# Altium PCB ETRX_Shield.PcbDoc (part 2 of 2)
Units mm, origin at the board's own origin, x right, y up, seen from the top; angles counter-clockwise.
Board outline 60 x 60 mm, 4 copper layers (Top Layer, GND, PWR, Bottom Layer), stack 1.506 mm thick; 134 components, 122 nets, 503 pads, 280 vias.
Unrouted connection lines stored in the file: 350.
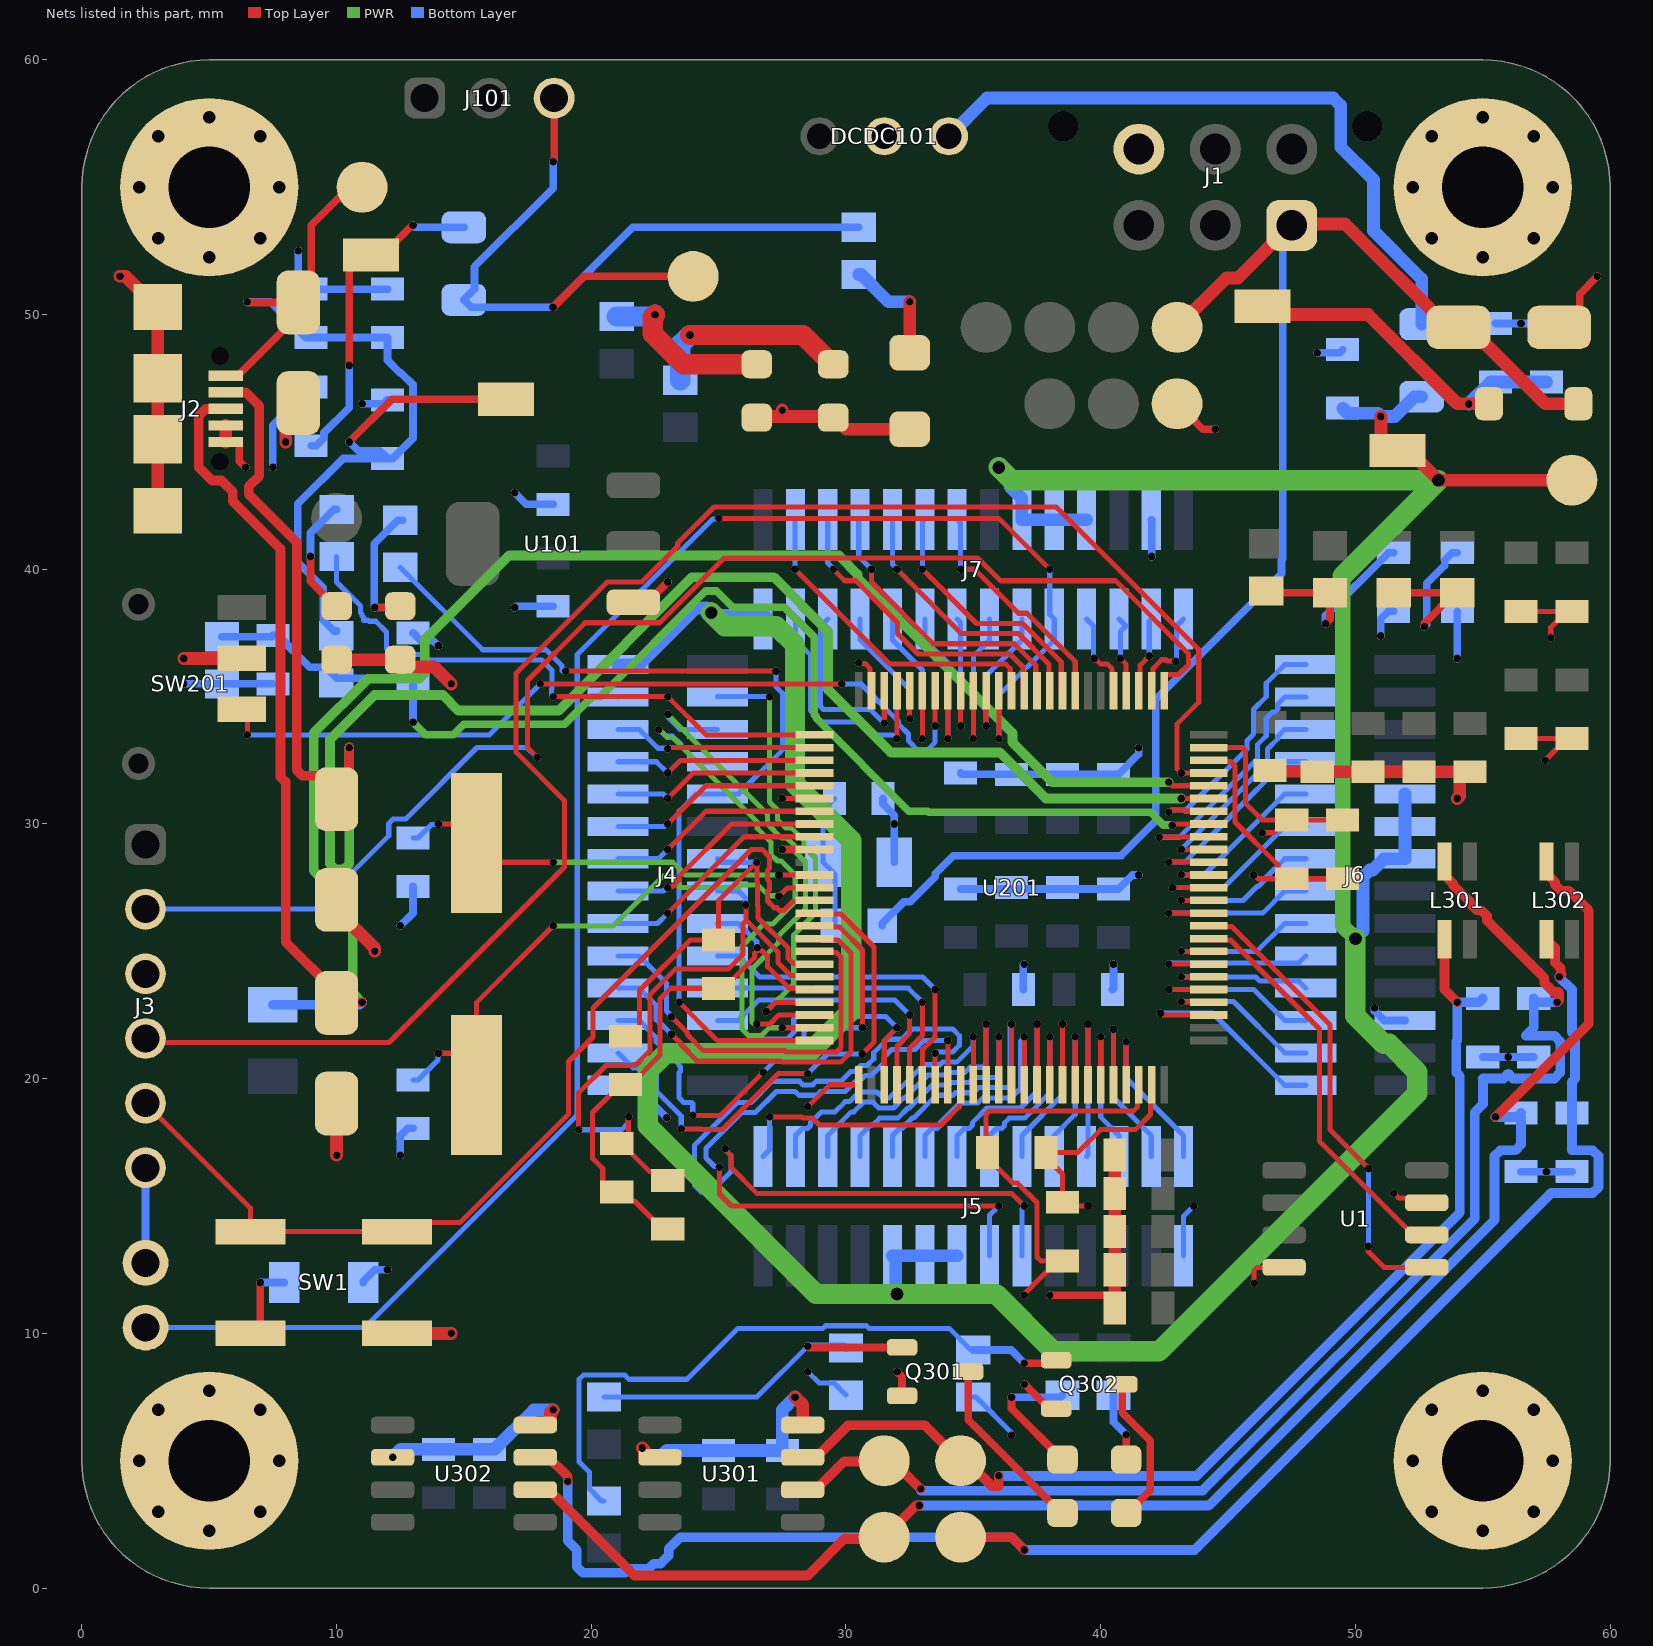
[diagram p4: the nets of this part, all layers, seen from the top]

## Via types
v1: diameter 0.3, hole 0.3, Top Layer to Bottom Layer, 237 vias
v2: diameter 0.7, hole 0.5, Top Layer to Bottom Layer, 32 vias
v3: diameter 0.5, hole 0.5, Top Layer to Bottom Layer, 11 vias

## Nets (pads, with @x,y where several pads share a name; then routed paths per layer and width w, separated by ;. In a path a pad name is that pad's centre, name@x,y a point inside that pad or via, vN(x,y) a via of type N, cw(c..) or ccw(c..) an arc to the next point about the centre after c; other vN are vias at no path point) (continued)
GND: C1.2 C2.1 C101.2 C102.2 C103.2 C104.2 C105.1 C106.2 C107.2 C108.2 C109.2 C201.1 C201.2 C202.1 C202.2 C203.1 C204.1 C205.2 C206.2 C207.2 C208.2 C209.2 C210.2 C211.2 C212.2 C213.2 C214.2 C215.2 C216.2 C217.2 C218.2 C219.2 C220.2 C221.2 C222.2 C223.2 C224.2 C229.1 C229.2 C230.1 C230.2 C231.2 C232.2 C301.2 C302.1 C303.2 C304.2 C305.1 C306.2 C307.1 C308.2 C309.2 C310.1 C311.2 C312.2 C313.2 C314.2 D101.1 D103.K D104.K D105.K D106.2 D201.2 D202.2 D205.K D206.K DCDC101.2 J1.6 J2.4 J2.5 J2.Shell J3.3 J4.28 J5.28 J6.23 J7.25 MH1.1 MH2.1 MH3.1 MH4.1 Q301.E Q302.E R2.2 R202.2 R307.2 R310.2 SW1.B2 SW201.L2 TP105.1 U1.4 U1.7 U101.1 U201.10 U201.26 U201.48 U201.49 U201.73 U201.74 U201.99 U301.2 U301.8 U302.2 U302.8 | length 202.1
  Top Layer w0.2: v1(28.5,18.9) 29.362,19.762 U201.26@30.5,19.762 ; v1(30.5,36.326) 30.519,36.306 30.743,36.306 30.95,36.1 30.95,35.288 U201.99@31,35.238 ; v1(37,11.5) 37.019,11.519 37.019,11.569 C230.1@38.3,12.85 ; C230.1@38.5,12.85 C230.1@38.3,12.85 ; v1(39.5,15) 38.65,15 C230.2@38.5,15.15 38.5,16.255 37.855,16.9 C229.2@37.855,17.1 39.1,17.1 40,18 41.36,18 41.955,18.595 41.955,19.717 U201.49@42,19.762 ; U201.48@41.5,19.762 41.45,19.712 41.45,18.9 41.274,18.724 35.617,18.724 35.5,18.607 35.5,17.155 C229.1@35.555,17.1 35.555,16.9 36.555,15.9 36.736,15.9 37.5,15.136 37.5,13 37.65,12.85 C230.1@38.3,12.85 ; U201.73@44.238,32.5 44.288,32.45 45.1,32.45 45.276,32.274 45.276,30.074 46.95,28.4 46.95,28.2 C201.1@47.3,27.85 ; U201.74@44.238,33 45.566,33 45.683,32.883 45.683,30.817 46.35,30.15 C201.2@47.3,30.15 ; v1(46,28) 46.027,28 46.177,27.85 C201.1@47.3,27.85 ; v1(46.025,11.975) 46.025,12.478 46.142,12.595 U1.4@47.2,12.595 ; v1(46.342,29.658) 46.808,29.658 C201.2@47.3,30.15 ; C202.1@49.5,27.85 C201.1@47.5,27.85 C201.1@47.3,27.85 ; C202.2@49.5,30.15 C201.2@47.5,30.15 C201.2@47.3,30.15 ; v1(51.5,15.5) 51.527,15.5 51.706,15.321 52.614,15.321 U1.7@52.8,15.135 ; C303.2@56.5,33.35 C304.2@58.3,33.35 ; C308.2@56.5,38.35 C309.2@58.3,38.35 ; v1(57.46,32.5) 57.46,32.51 C304.2@58.3,33.35 ; v1(57.664,37.307) 57.667,37.311 57.667,37.717 C309.2@58.3,38.35 ; C304.2@58.5,33.35 C304.2@58.3,33.35 ; C309.2@58.5,38.35 C309.2@58.3,38.35
  Top Layer w0.3: J2.5@5.65,45 6.125,45 6.175,44.95 6.175,44.25 v1(6.425,44) ; U101.1@21.65,38.7 22.2,38.7 v1(23,39.5) ; v1(27.5,29) U201.10@28.762,29 ; v1(32,8.5) 32.2,8.3 Q301.E@32.2,7.55 ; v1(37,8) 37.025,8 37.975,7.05 Q302.E@38.25,7.05 ; v1(38,11.5) 40.25,11.5 40.55,11.2 C211.2@40.55,11 ; TP105.1@43,46.5 44,45.5 v1(44.5,45.5) ; D101.1@58,49.5 58.121,49.5 58.8,50.179 58.8,50.8 v1(59.5,51.5)
  Top Layer w0.5: v1(1.5,51.5) 1.725,51.5 2.925,50.3 J2.Shell@2.975,50.3 J2.Shell@2.975,47.5 J2.Shell@2.975,45.1 ; J2.Shell@2.975,42.3 J2.Shell@2.975,45.1 ; J2.Shell@3.525,45.65 J2.Shell@2.975,45.1 ; v1(4,36.5) SW201.L2@6.275,36.5 ; J2.5@5.65,45 J2.4@5.65,45.65 ; v1(8,45) 8.008,45.008 8.008,46.033 D106.2@8.5,46.525 ; D205.K@9.975,36.475 D205.K@10,36.45 D206.K@12.5,36.45 12.785,36.165 13.835,36.165 v1(14.5,35.5) ; v1(10,17) D201.2@10,19.025 ; D202.2@10,27.025 10,26.625 11.5,25.125 v1(11.5,25) ; SW1.B2@12.375,10 v1(14.5,10) ; U302.8@17.8,6.405 18.325,6.405 18.4,6.48 18.4,6.9 v1(18.5,7) ; v1(22,5.5) 22.1,5.4 22.1,5.21 22.175,5.135 U301.2@22.7,5.135 ; D103.K@26.5,45.95 26.55,46 27.5,46 ; v1(27.5,46.25) 27.5,46 ; v1(28,7.5) 28.3,7.2 U301.8@28.3,6.405 ; D105.K@32.5,45.5 30.014,45.5 29.564,45.95 D104.K@29.5,45.95 29.45,46 27.5,46 ; C211.2@40.55,11.2 C212.2@40.55,12.5 C214.2@40.55,15.5 C215.2@40.55,17 ; C206.2@46.65,32.094 46.672,32.072 48.478,32.072 C207.2@48.5,32.05 C208.2@50.5,32.05 C209.2@52.5,32.05 C210.2@54.3,32.05 ; v1(54,31) 54.1,31.1 54.1,31.85 C210.2@54.3,32.05 ; C210.2@54.5,32.05 C210.2@54.3,32.05
  Bottom Layer w0.2: v1(28.5,8.5) 28.95,8.05 29.525,8.05 R307.2@30,7.575 ; R310.2@35,7.5 35.1,7.5 36.481,6.119 36.481,6.019 v1(36.5,6) ; J5.28@43.255,13.05 43.255,14.605 v1(43.65,15)
  Bottom Layer w0.3: v1(4,35.5) R202.2@5.5,35.5 C232.2@7.5,35.5 ; v1(7.506,44) 7.5,44.006 7.5,45.65 8.5,46.65 8.5,46.85 8.8,47.15 C109.2@9,47.15 ; v1(8.5,52.5) 8.5,51.3 8.8,51 C106.2@9,51 C107.2@12,51 ; v1(11,46.5) 11.85,46.5 C108.2@12,46.65 ; C2.1@11.05,12 11.05,12.05 11.5,12.5 v1(12,12.5) ; v1(12.5,17) 12.5,17.75 12.8,18.05 C204.1@13,18.05 ; v1(12.5,26) 13,26.5 C203.1@13,27.55 ; C231.2@13,37.5 13.3,37.2 13.8,37.2 v1(14,37) ; v1(17,38.5) 17.05,38.55 C105.1@18.5,38.55 ; v1(17,43) 17.45,42.55 C104.2@18.5,42.55 ; J4.28@21.05,19.745 21.875,19.745 22.1,19.52 22.1,19.329 v1(22.964,18.464) ; C1.2@31.45,31 31.45,30.8 31.9,30.35 v1(31.9,30) R2.2@31.9,28.5 ; C221.2@34.5,27.45 C218.2@40.5,27.45 40.7,27.45 41.25,28 v1(41.5,28) ; C205.2@34.5,32 34.55,31.95 C224.2@36.5,31.95 C223.2@38.5,31.95 C222.2@40.5,31.95 40.7,31.95 41.5,32.75 v1(41.5,33) ; C217.2@36.965,23.5 36.965,24.465 v1(37,24.5) ; C216.2@40.465,23.5 40.5,23.535 v1(40.5,24.5) ; J7.25@41.985,41.95 42,41.935 v1(42,40.5) ; v1(48.5,48.5) 49.375,48.5 C103.2@49.5,48.625 ; v1(50.75,22.78) 50.75,22.66 51.125,22.285 J6.23@51.95,22.285 ; v1(50.99,37.383) 51,37.394 51,38.05 51.3,38.35 C305.1@51.5,38.35 ; v1(54,36.5) C310.1@54,38.35 ; C301.2@55,20.85 v1(56,20.85) C302.1@57,20.85 ; C102.2@55.5,49.65 v1(56.5,49.65) C101.2@57.5,49.65 ; C307.1@56.5,16.35 v1(57.5,16.35) C306.2@58.5,16.35
  Bottom Layer w0.5: v1(12.2,5.135) 12.515,5.45 C311.2@14,5.45 16.2,5.45 17.75,7 v1(18.5,7) ; 22.7,5.135 22.965,5.4 C313.2@25,5.4 C314.2@27.5,5.4 27.5,7 v1(28,7.5)
  other v2: 5,2.25 55,2.25 3,3 7,3 53,3 57,3 2.25,5 7.75,5 52.25,5 57.75,5 3,7 7,7 53,7 57,7 5,7.75 55,7.75 5,52.25 55,52.25 3,53 7,53 53,53 57,53 2.25,55 7.75,55 52.25,55 57.75,55 3,57 7,57 53,57 57,57 5,57.75 55,57.75
LED_PA3: J4.9 R208.2 U201.25 | length 38.2
  Top Layer w0.2: v1(19,36) v1(27.25,36) ; v1(23.45,23) 24.95,21.5 U201.25@28.762,21.5
  Bottom Layer w0.2: R208.2@12.5,40.075 15.734,36.841 18.225,36.841 18.85,36.216 18.85,36 v1(19,36) ; v1(23.45,23) 23.45,30.5 24.125,31.175 J4.9@24.95,31.175 25.775,31.175 27.5,32.9 27.5,35.136 27.25,35.386 v1(27.25,36)
LED_PE2: J4.4 R207.2 U201.1 | length 25.4
  Top Layer w0.2: v1(18.5,35) v1(23,35) 24.5,33.5 U201.1@28.762,33.5
  Bottom Layer w0.2: R207.2@10,40.5 10,39.5 10.935,38.565 10.935,38.301 11,38.236 11,38.177 11.053,38.124 11.053,38 11.236,38 11.276,37.959 11.541,37.959 11.959,37.541 11.959,36.888 12.188,36.659 13.34,36.659 13.559,36.441 18.059,36.441 18.45,36.05 18.45,35.314 18.436,35.3 18.436,35.091 18.5,35.027 v1(18.5,35) ; J4.4@21.05,34.985 21.065,35 v1(23,35)
"LV tr": C103.1 F101.1 J4.2 J5.10 J5.12 J5.14 J6.9 J6.11 J6.13 J7.2 J7.17 J7.19 J7.21 L101.2 TP102.1 | length 148.3
  Top Layer w0.5: v1(51,46) 51,45.068 51.4,44.668 L101.2@51.643,44.668 52.093,44.668 v3(53.262,43.5) TP102.1@58.5,43.5
  PWR w0.6: 49.5,39.738 49.5,26 v3(50,25.5)
  PWR w0.8: v3(24.705,38.295) 25.234,37.766 27.266,37.766 28,37.031 28,31.561 30.2,29.361 30.2,22.668 28.531,21 22.929,21 22.214,20.286 22.214,18.154 28.818,11.55 v3(32,11.55) 35.889,11.55 38.139,9.3 42.29,9.3 52.426,19.436 52.426,20.264 51.323,21.367 51.103,21.367 50,22.47 v3(50,25.5) ; v3(36,44) 36.5,43.5 v3(53.262,43.5) 49.5,39.738
  Bottom Layer w0.5: J4.2@21.05,36.255 21.875,36.255 24.12,38.5 24.143,38.477 24.523,38.477 24.599,38.401 v3(24.705,38.295) ; v3(32,11.55) 31.95,11.6 31.95,12.925 J5.10@31.825,13.05 J5.12@33.095,13.05 J5.14@34.365,13.05 ; v3(36,44) 36.46,43.54 36.46,43.22 36.905,42.775 J7.17@36.905,41.95 J7.19@38.175,41.95 J7.21@39.445,41.95 ; C103.1@49.5,46.325 49.7,46.125 50.875,46.125 v1(51,46) 51.541,46 52.316,46.775 F101.1@52.6,46.775 ; v3(50,25.5) 50.3,25.8 50.3,27.926 50.564,28.19 50.68,28.19 51.125,28.635 J6.13@51.95,28.635 J6.11@51.95,29.905 J6.9@51.95,31.175
  Bottom Layer w0.8: v3(24.705,38.295) 24.95,38.05 J7.2@26.745,38.05
"LV+ in": D101.2 D102.A J1.1 R1.1 TP101.1 | length 58.9
  Top Layer w0.5: TP101.1@43,49.5 44.94,51.44 45.385,51.44 47.5,53.556 49.595,53.556 53.65,49.5 D101.2@54.05,49.5 54.45,49.5 57.45,46.5 D102.A@58.75,46.5 D102.A@59,46.75
  Bottom Layer w0.3: R1.1@31.425,26 31.425,26.1 32.278,26.953 32.522,26.953 33.5,27.93 33.5,28.045 34.205,28.75 40.795,28.75 42.167,30.122 42.167,34.892 47.096,39.821 47.096,40.361 47.15,40.414 47.15,53.15 J1.1@47.5,53.5
NetC2_2: C2.2 SW1.B1 | length 3.1
  Top Layer w0.3: SW1.B1@6.625,10 7,10.375 v1(7,12)
  Bottom Layer w0.3: v1(7,12) C2.2@7.95,12
NetC101_1: C101.1 C102.1 D102.K L101.1 | length 13.9
  Top Layer w0.5: L101.1@46.35,50.325 46.675,50 50.5,50 54,46.5 D102.K@55.25,46.5
  Bottom Layer w0.5: v1(54.45,46.488) 54.45,46.5 55.3,47.35 C102.1@55.5,47.35 C101.1@57.5,47.35
NetC109_1: C109.1 F102.1 L102.2 | length 12.9
  Top Layer w0.3: v1(10.5,48) 10.5,51.832 11,52.332 L102.2@11.357,52.332 11.807,52.332 12.975,53.5 v1(13,53.5)
  Bottom Layer w0.3: C109.1@9,44.85 9.2,44.85 9.5,45.15 9.5,45.35 10.5,46.35 v1(10.5,48) ; v1(13,53.5) 13.075,53.425 F102.1@15,53.425
NetC301_1: C301.1 L301.1 TP301.1 U301.7 | length 44.1
  Top Layer w0.381: U301.7@28.3,5.135 28.825,5.135 30.08,6.391 33.109,6.391 TP301.1@34.5,5 34.722,5 35.722,4 36,4 36,4.366 v1(36,4.406) ; L301.1@53.5,25.475 53.5,23.5 v1(54,23)
  Bottom Layer w0.381: v1(36,4.406) 43.763,4.406 54.099,14.742 54.099,20.099 53.959,20.238 53.959,21.462 54,21.502 v1(54,23) 54.85,23 C301.1@55,23.15
NetC302_2: C302.2 L301.2 TP303.1 U301.6 | length 53.6
  Top Layer w0.381: U301.6@28.3,3.865 28.825,3.865 29.928,4.969 31.469,4.969 TP303.1@31.5,5 31.831,5 v1(32.93,3.901) ; L301.2@53.5,28.525 53.5,28 53.834,27.666 53.834,27.613 54.5,26.948 54.5,26.874 54.758,26.615 54.937,26.615 55.166,26.387 55.166,26.208 57.419,23.955 57.419,23.759 57.759,23.419 57.955,23.419 58,23.374 58,23.081 v1(57.919,23)
  Bottom Layer w0.381: v1(32.93,3.901) 32.93,3.825 44.004,3.825 54.68,14.502 54.68,18.68 55.01,19.01 55.01,20.01 55.812,20.01 56,20.198 56.188,20.009 57.812,20.009 58.041,20.238 58.041,21.462 57.812,21.691 56.69,21.691 57,22 C302.2@57,23.15 57.15,23 v1(57.919,23)
NetC305_2: C305.2 R301.1 R302.1 | length 7.8
  Top Layer w0.3: R302.1@46.5,39.15 46.575,39.075 R301.1@49,39.075 49,38.038 v1(48.824,37.863)
  Bottom Layer w0.3: v1(48.824,37.863) 48.824,38.174 51.3,40.65 C305.2@51.5,40.65
NetC306_1: C306.1 L302.1 TP305.1 U302.7 | length 66.3
  Top Layer w0.381: U302.7@17.8,5.135 18.325,5.135 19.077,4.383 v1(19.077,4.198) ; TP305.1@34.5,2 36,2 36.5,2 v1(37,1.5) ; L302.1@57.5,25.475 57.834,25.141 57.834,24.563 58.063,24.334 58.063,24.132 58.098,24.098 v1(58,24)
  Bottom Layer w0.381: v1(19.077,4.198) 19.077,1.858 19.435,1.5 19.435,0.838 19.663,0.61 21.337,0.61 21.477,0.75 22.25,0.75 22.46,0.96 22.724,0.96 23.041,1.276 23.041,1.54 23.5,2 36.5,2 v1(37,1.5) 43.679,1.5 57.688,15.509 59.312,15.509 59.541,15.738 59.541,16.962 59.312,17.191 58.5,17.191 C306.1@58.5,18.65 58.5,19.876 58.622,19.998 58.622,21.702 58.5,21.824 58.5,23.5 v1(58,24)
NetC307_2: C307.2 L302.2 TP307.1 U302.6 | length 63.1
  Top Layer w0.381: U302.6@17.8,3.865 18.325,3.865 21.69,0.5 28.5,0.5 29.928,1.929 31.428,1.929 TP307.1@31.5,2 32.744,3.244 v1(32.873,3.244) ; v1(55.5,18.5) 59.166,22.166 59.166,26.598 58.379,27.384 58.063,27.384 57.834,27.613 57.834,27.716 57.5,28.05 L302.2@57.5,28.525
  Bottom Layer w0.381: v1(32.873,3.244) 44.244,3.244 55.459,14.459 55.459,16.962 55.688,17.191 56.277,17.191 56.5,17.414 C307.2@56.5,18.5 ; v1(55.5,18.5) 56.35,18.5 C307.2@56.5,18.65
NetC310_2: C310.2 R303.1 R304.1 | length 8
  Top Layer w0.3: R303.1@51.5,39.075 R304.1@54,39.075 53.9,39.075 52.714,37.889 v1(52.714,37.746)
  Bottom Layer w0.3: v1(52.714,37.746) 52.796,37.827 52.796,39.446 53.5,40.15 53.5,40.35 53.8,40.65 C310.2@54,40.65
NetD103_A: D103.A R101.2 | length 6.9
  Top Layer w0.8: v1(22.5,50) 22.413,49.913 22.413,49.25 23.613,48.05 D103.A@26.5,48.05
  Bottom Layer w0.8: R101.2@21,49.925 22.425,49.925 v1(22.5,50)
NetD104_A: D104.A R102.2 | length 8
  Top Layer w0.8: v1(23.877,49.2) 28.3,49.2 29.3,48.2 29.35,48.2 D104.A@29.5,48.05
  Bottom Layer w0.8: R102.2@23.5,47.425 23.5,48.839 23.516,48.839 v1(23.877,49.2)
NetD105_A: D105.A R103.1 | length 4.4
  Top Layer w0.5: D105.A@32.5,48.5 v1(32.5,50.5)
  Bottom Layer w0.5: R103.1@30.5,51.575 30.6,51.575 31.675,50.5 v1(32.5,50.5)
NetD205_A: D205.A R207.1 | length 4.7
  Top Layer w0.3: v1(8.975,40.5) 8.975,39.525 9.95,38.55 D205.A@10,38.55
  Bottom Layer w0.3: v1(8.975,40.5) 8.975,41.425 9.9,42.35 R207.1@10,42.35
NetD206_A: D206.A R208.1 | length 5
  Top Layer w0.3: v1(11.5,38.5) 12.45,38.5 D206.A@12.5,38.55
  Bottom Layer w0.3: v1(11.5,38.5) 11.475,38.525 11.475,41 12.4,41.925 R208.1@12.5,41.925 R208.1@12.6,41.925
NetD301_A: D301.A R305.2 | length 5.3
  Top Layer w0.3: v1(36.5,7.5) 36.5,7.05 D301.A@38.5,5.05
  Bottom Layer w0.3: v1(36.5,7.5) 38.425,7.5 R305.2@38.5,7.575
NetD301_K: D301.K Q301.C | length 7.8
  Top Layer w0.3: Q301.C@34.5,8.326 34.674,8.5 Q301.C@34.8,8.5 34.8,6.609 38.459,2.95 D301.K@38.5,2.95 D301.K@38.705,3.155
NetD302_A: D302.A R308.2 | length 2.7
  Top Layer w0.3: D302.A@41,5.05 v1(41,6.025)
  Bottom Layer w0.3: R308.2@40.5,7.575 40.5,6.525 v1(41,6.025)
NetD302_K: D302.K Q302.C | length 5.9
  Top Layer w0.3: Q302.C@40.85,8 40.85,6.882 41.95,5.782 41.95,3.85 41.05,2.95 D302.K@41,2.95
NetDCDC101_1: DCDC101.1 F101.2 | length 26
  Bottom Layer w0.5: DCDC101.1@34.04,57 35.54,58.5 49.126,58.5 49.419,58.207 49.419,56.581 50.708,55.292 50.708,53.292 52.6,51.4 F101.2@52.6,49.625
NetJ3_6: J3.6 J8.2 | length 3.7
  Bottom Layer w0.3: J8.2@2.5,12.77 J3.6@2.5,16.5
NetQ301_B: Q301.B R306.2 R307.1 | length 14.1
  Top Layer w0.3: v1(28.5,9.5) 28.55,9.45 Q301.B@32.2,9.45
  Bottom Layer w0.2: R306.2@20.5,7.5 26.5,7.5 v1(28.5,9.5)
  Bottom Layer w0.3: v1(28.5,9.5) 29.925,9.5 R307.1@30,9.425
NetQ302_B: Q302.B R309.2 R310.1 | length 25.6
  Top Layer w0.3: v1(37,8.836) 38.136,8.836 Q302.B@38.25,8.95
  Bottom Layer w0.2: R309.2@20.5,3.425 20.4,3.425 19.925,3.9 19.925,4.551 19.525,4.951 19.525,8.199 19.701,8.375 21.299,8.375 21.474,8.2 23.756,8.2 25.756,10.2 29.101,10.2 29.201,10.3 30.799,10.3 30.899,10.2 34.05,10.2 34.9,9.35 R310.1@35,9.35
  Bottom Layer w0.3: R310.1@35,9.35 36.486,9.35 v1(37,8.836)
NetSW201_COM: SW201.COM U201.94 | length 32.7
  Top Layer w0.2: SW201.COM@6.275,34.5 6.5,34.275 v1(6.5,33.5) ; v1(18,35.5) 29.5,35.5 v1(29.831,35.5) ; v1(33.5,33.85) U201.94@33.5,35.588
  Bottom Layer w0.2: v1(6.5,33.5) 16,33.5 v1(18,35.5) ; v1(29.831,35.5) 30.586,35.5 32.05,34.036 32.05,33.936 32.45,33.536 32.45,33.264 32.814,32.9 33.186,32.9 33.5,33.214 v1(33.5,33.85)
NRST: J3.5 SW1.A1 SW1.A2 U201.14 | length 39.3
  Top Layer w0.2: J3.5@2.5,19.04 6.625,14.915 SW1.A1@6.625,14 SW1.A2@12.375,14 ; SW1.A2@12.725,14.35 14.85,14.35 19.105,18.605 19.105,20.671 20.069,21.635 20.069,22.776 26.293,29 26.707,29 27,28.707 27,28.268 26.918,28.186 26.918,27.814 27,27.732 27,27.43 26.918,27.349 26.918,26.976 27.182,26.712 27.288,26.712 27.392,26.608 27.558,26.608 27.9,26.95 28.007,26.95 28.712,26.95 U201.14@28.762,27
  Top Layer w0.3: SW1.A2@12.375,14 SW1.A2@12.725,14.35
OSC_IN: C203.2 U201.12 XTAL301.2 | length 16.8
  Top Layer w0.2: v1(14,30) 14.75,30 XTAL301.2@15.5,29.25 16.25,28.5 v1(18.5,28.5) ; v1(27.368,28) U201.12@28.762,28
  PWR w0.2: v1(18.5,28.5) 23.202,28.5 23.702,28 v1(27.368,28)
  Bottom Layer w0.2: C203.2@13,29.45 13.2,29.45 13.731,29.981 13.981,29.981 v1(14,30)
OSC_OUT: C204.2 U201.13 XTAL301.1 | length 22.7
  Top Layer w0.2: v1(14,21) 14.6,21 XTAL301.1@15.5,20.1 ; XTAL301.1@15.5,19.75 XTAL301.1@15.5,20.1 ; v1(18.5,26) 15.5,23 XTAL301.1@15.5,20.1 ; v1(27.368,27.162) 27.697,27.491 28.753,27.491 U201.13@28.762,27.5
  PWR w0.2: v1(18.5,26) 20.864,26 22.814,27.95 23.186,27.95 23.45,27.686 23.45,27.5 25.782,27.5 25.882,27.6 26.55,27.6 26.969,27.181 27.349,27.181 v1(27.368,27.162)
  Bottom Layer w0.2: C204.2@13,19.95 13.2,19.95 13.981,20.731 13.981,20.981 v1(14,21)
PA0: J4.3 U201.22 | length 18.2
  Top Layer w0.2: v1(26.864,22.636) 27.227,23 U201.22@28.762,23
  PWR w0.2: v1(26.864,22.636) 27.95,23.723 27.95,25.645 28.807,26.502 28.807,28.67 28.35,29.127 28.35,29.352 27.852,29.85 27.627,29.85 27.314,30.163 27.314,30.55 27,30.864 v1(27,35)
  Bottom Layer w0.2: J4.3@24.95,34.985 24.965,35 v1(27,35)
PA1: J4.5 U201.23 | length 20.2
  Top Layer w0.2: v1(26.5,22.15) 27.014,22.15 27.364,22.5 U201.23@28.762,22.5
  PWR w0.2: v1(23.01,34.314) 23.01,34.287 26.914,30.384 26.914,29.998 27.462,29.45 27.686,29.45 27.95,29.186 27.95,28.962 28.407,28.504 28.407,26.668 27.36,25.62 27.36,25.358 26.313,24.311 26.313,22.214 26.358,22.169 26.481,22.169 v1(26.5,22.15)
  Bottom Layer w0.2: v1(23.01,34.314) 23.03,34.295 23.03,34.172 23.487,33.715 J4.5@24.95,33.715
PA2: J4.7 U201.24 | length 21.2
  Top Layer w0.2: v1(27.5,22) U201.24@28.762,22
  PWR w0.2: v1(22.648,33.698) 22.675,33.698 22.97,33.403 23.187,33.403 26.514,30.076 26.514,29.832 27.05,29.296 27.05,28.814 27.314,28.55 27.455,28.55 28.007,27.997 28.007,26.95 27.138,26.08 26.782,26.08 25.913,25.211 25.913,21.951 26.164,21.7 26.686,21.7 26.986,22 v1(27.5,22)
  Bottom Layer w0.2: v1(22.648,33.698) 22.675,33.698 22.919,33.454 23.182,33.454 23.518,33.118 23.518,33.052 24.125,32.445 J4.7@24.95,32.445
PA4: J4.25 U201.28 | length 9.9
  Top Layer w0.2: U201.28@31.5,20.412 31.5,21.5 v1(32,22)
  Bottom Layer w0.2: J4.25@24.95,21.015 25.775,21.015 26.31,21.55 27.686,21.55 27.95,21.814 27.95,22.314 28.086,22.45 31.55,22.45 v1(32,22)
PA5: J4.23 U201.29 | length 10.9
  Top Layer w0.2: U201.29@32,19.912 32,21.268 32.5,21.768 v1(32.5,22.5)
  Bottom Layer w0.2: J4.23@24.95,22.285 25.775,22.285 26.095,22.605 26.576,23.086 31.914,23.086 v1(32.5,22.5)
PA6: J4.21 U201.30 | length 11.1
  Top Layer w0.2: U201.30@32.5,20.412 32.5,21.202 33,21.702 v1(33,23)
  Bottom Layer w0.2: J4.21@24.95,23.555 32.445,23.555 v1(33,23)
PA7: J4.19 U201.31 | length 12.9
  Top Layer w0.2: U201.31@33,19.912 33,21.136 33.5,21.636 v1(33.5,23.5)
  Bottom Layer w0.2: J4.19@24.95,24.825 25.775,24.825 26.6,24 33,24 v1(33.5,23.5)
PA8: J6.4 U201.67 | length 10.5
  Top Layer w0.2: v1(42.296,29.48) 42.306,29.49 43.894,29.49 U201.67@43.905,29.501
  Bottom Layer w0.2: v1(42.296,29.48) 43.081,29.48 46.15,32.55 46.15,32.783 46.15,33.11 46.5,33.46 46.5,34.164 46.726,34.39 46.833,34.39 46.95,34.507 46.95,34.71 47.225,34.985 J6.4@48.05,34.985
PA10: J6.2 U201.69 | length 10.2
  Top Layer w0.2: v1(42.667,30.461) 42.694,30.461 42.784,30.552 43.252,30.552 43.303,30.501 U201.69@43.905,30.501
  Bottom Layer w0.2: v1(42.667,30.461) 42.694,30.461 42.784,30.552 43.353,30.552 45.75,32.949 45.75,33.276 46,33.526 46,34.5 46.5,35 46.5,35.53 47.225,36.255 J6.2@48.05,36.255
PA15: J7.28 U201.77 | length 3.7
  Top Layer w0.2: U201.77@42,35.238 42.05,35.288 42.05,36.1 42.397,36.447 42.563,36.447 42.611,36.398 42.928,36.398 v1(42.947,36.379)
  Bottom Layer w0.2: v1(42.947,36.379) 42.947,36.406 42.98,36.439 42.98,37.775 J7.28@43.255,38.05
PB0: J5.1 U201.34 | length 10.4
  Top Layer w0.2: v1(27,18.5) 28.264,18.5 28.314,18.45 28.686,18.45 28.956,18.18 33.73,18.18 34.45,18.9 34.45,19.712 U201.34@34.5,19.762
  Bottom Layer w0.2: J5.1@26.745,16.95 27,17.205 v1(27,18.5)
PB1: J5.3 U201.35 | length 11.6
  Top Layer w0.2: U201.35@35,19.912 v1(35,21.65)
  Bottom Layer w0.2: J5.3@28.015,16.95 28.015,17.775 28.29,18.05 28.493,18.05 28.61,18.167 28.61,18.274 29.036,18.7 29.568,18.7 29.968,19.1 30.137,19.1 30.518,19.48 31.222,19.48 31.452,19.25 31.699,19.25 32.099,19.65 32.15,19.65 33.05,20.55 33.686,20.55 33.786,20.65 34.352,20.65 34.981,21.279 34.981,21.631 v1(35,21.65)
PB2: J5.5 U201.36 | length 11.7
  Top Layer w0.2: U201.36@35.5,20.412 v1(35.5,22.15)
  Bottom Layer w0.2: J5.5@29.285,16.95 29.285,17.775 30.21,18.7 30.303,18.7 30.683,19.08 31.056,19.08 31.286,18.85 31.864,18.85 32.264,19.25 32.316,19.25 33.216,20.15 33.869,20.15 33.969,20.25 34.673,20.25 34.873,20.45 35.383,20.45 35.5,20.567 v1(35.5,22.15)
PB3: J7.20 J8.1 U201.89 | length 69.4
  Top Layer w0.2: v1(25,42) 36,42 v1(38,40) ; v1(36,33.35) U201.89@36,35.088
  Bottom Layer w0.2: J8.1@2.5,10.23 11.104,10.23 19.45,18.576 19.45,36.654 24.777,41.981 24.981,41.981 v1(25,42) ; v1(36,33.35) 36,35.05 38.175,37.225 J7.20@38.175,38.05 38,38.225 v1(38,40)
PB4: J7.18 U201.90 | length 6.5
  Top Layer w0.2: v1(35.5,33.85) U201.90@35.5,35.238 U201.90@35.5,35.588
  Bottom Layer w0.2: v1(35.5,33.85) 35.5,35.82 36.905,37.225 J7.18@36.905,38.05
PB5: J7.16 U201.91 | length 6.7
  Top Layer w0.2: v1(35,33.35) U201.91@35,35.088
  Bottom Layer w0.2: v1(35,33.35) 35,36.59 35.635,37.225 J7.16@35.635,38.05
PB6: J7.14 U201.92 | length 6
  Top Layer w0.2: v1(34.5,33.85) U201.92@34.5,35.238 U201.92@34.5,35.588
  Bottom Layer w0.2: J7.14@34.365,38.05 34.5,37.915 v1(34.5,33.85)
PB7: J7.12 U201.93 | length 6.8
  Top Layer w0.2: v1(34,33.35) U201.93@34,35.088
  Bottom Layer w0.2: J7.12@33.095,38.05 33.095,37.225 34,36.32 v1(34,33.35)
PB8: J7.10 U201.95 | length 6.9
  Top Layer w0.2: v1(33,33.35) U201.95@33,35.088
  Bottom Layer w0.2: J7.10@31.825,38.05 31.825,37.225 33,36.05 v1(33,33.35)
PB9: J7.8 U201.96 | length 5.8
  Top Layer w0.2: v1(32.5,34.136) U201.96@32.5,35.238
  Bottom Layer w0.2: J7.8@30.555,38.05 30.555,37.225 32.5,35.28 v1(32.5,34.136)
PB10: J5.25 U201.46 | length 7.1
  Top Layer w0.2: U201.46@40.5,20.412 v1(40.5,21.947)
  Bottom Layer w0.2: v1(40.5,21.947) 40.5,19.26 41.985,17.775 J5.25@41.985,16.95
PB11: J5.27 U201.47 | length 7.1
  Top Layer w0.2: U201.47@41,19.762 v1(41,21.447)
  Bottom Layer w0.2: v1(41,21.447) 41,20.03 43.255,17.775 J5.27@43.255,16.95
PB14: J6.28 U201.53 | length 8.5
  Top Layer w0.2: v1(42.346,22.577) 42.373,22.577 42.451,22.5 U201.53@43.903,22.5
  Bottom Layer w0.2: v1(42.346,22.577) 44.393,22.577 47.225,19.745 J6.28@48.05,19.745
PB15: J6.26 U201.54 | length 7
  Top Layer w0.2: v1(43.167,23.027) 43.18,23.014 44.392,23.014 U201.54@44.405,23.001
  Bottom Layer w0.2: v1(43.167,23.027) 45.213,23.027 47.225,21.015 J6.26@48.05,21.015
PC0: J4.26 U201.15 | length 20.1
  Top Layer w0.2: v1(23.53,18.03) 24.332,18.03 24.362,18 25.136,18 27.336,20.2 v1(28.5,20.2) ; U201.15@28.762,26.5 28.791,26.471 29.8,26.471 31.099,25.171 31.099,21.431 v1(30.641,20.972)
  Bottom Layer w0.2: J4.26@21.05,21.015 21.645,20.42 22.374,20.42 22.55,20.244 22.55,19.515 23.53,18.535 v1(23.53,18.03) ; v1(28.5,20.2) 29.272,20.972 v1(30.641,20.972)
PC1: J4.24 U201.16 | length 19.2
  Top Layer w0.2: v1(23.983,18.562) 25.062,18.562 v1(26.75,20.25) ; U201.16@28.762,26 28.812,25.95 29.755,25.95 30.649,25.056 v1(30.649,22)
  Bottom Layer w0.2: J4.24@21.05,22.285 21.875,22.285 22.55,21.61 22.55,21.45 23.45,20.55 23.45,20.516 23.5,20.466 23.5,20.294 23.45,20.244 23.45,19.246 23.626,19.07 23.93,19.07 23.983,19.017 v1(23.983,18.562) ; v1(26.75,20.25) 27.65,21.15 27.852,21.15 28.35,21.648 28.35,21.85 28.5,22 v1(30.649,22)
PC2: J4.22 U201.17 | length 16.4
  Top Layer w0.2: v1(23.147,21.75) 23.519,21.378 23.519,21.344 24.164,20.7 27.436,20.7 27.486,20.65 29.789,20.65 30.2,21.06 30.2,24.94 29.689,25.45 28.812,25.45 U201.17@28.762,25.5
  Bottom Layer w0.2: J4.22@21.05,23.555 21.875,23.555 22.55,22.88 22.55,22.384 22.55,22.314 22.742,22.122 22.776,22.122 v1(23.147,21.75)
PC3: J4.20 U201.18 | length 15.8
  Top Layer w0.2: v1(23.147,22.432) 23.783,21.796 23.783,21.717 24.4,21.1 27.602,21.1 27.652,21.05 29.624,21.05 29.8,21.226 29.8,24.774 29.624,24.95 28.812,24.95 U201.18@28.762,25
  Bottom Layer w0.2: J4.20@21.05,24.825 21.875,24.825 22.95,23.75 22.95,22.656 23.147,22.459 v1(23.147,22.432)
PC4: J5.18 U201.32 | length 34.1
  Top Layer w0.2: v1(25.252,17.248) 25.252,17.221 25.48,16.993 25.48,16.52 26.5,15.5 36.5,15.5 v1(37,15) ; U201.32@33.5,20.412 v1(33.5,21)
  Bottom Layer w0.2: v1(25.252,17.248) 25.252,17.221 25.48,16.993 25.48,16.344 24.686,15.55 24.314,15.55 24.05,15.814 24.05,17.386 25.734,19.07 26.274,19.07 27.104,19.9 28.164,19.9 28.314,19.75 28.686,19.75 28.836,19.9 29.806,19.9 30.186,20.28 30.351,20.28 30.593,20.522 30.827,20.522 31.091,20.785 31.091,21.02 31.621,21.55 32.186,21.55 32.586,21.95 34.186,21.95 34.45,21.686 34.45,21.314 34.186,21.05 33.577,21.05 33.546,21.019 v1@33.527,21.019 ; J5.18@36.905,13.05 36.905,14.878 37,14.973 v1(37,15)
PC5: J5.16 U201.33 | length 28.5
  Top Layer w0.2: v1(25.03,16.53) 25.03,15.47 25.5,15 v1(36,15) ; U201.33@34,19.912 v1(34,21.5)
  Bottom Layer w0.2: v1(25.03,16.53) 25.011,16.549 24.842,16.549 24.5,16.891 24.5,17.27 25.9,18.67 26.44,18.67 27.27,19.5 27.998,19.5 28.148,19.35 28.852,19.35 29.002,19.5 29.972,19.5 30.352,19.88 30.517,19.88 30.758,20.122 30.993,20.122 31.491,20.62 31.491,20.854 31.786,21.15 32.705,21.15 33.055,21.5 v1(34,21.5) ; J5.16@35.635,13.05 35.635,14.635 v1(36,15)
PC6: J6.12 U201.63 | length 7.5
  Top Layer w0.2: v1(42.817,27.501) U201.63@44.055,27.501
  Bottom Layer w0.2: v1(42.817,27.501) 44.821,27.501 47.225,29.905 J6.12@48.05,29.905
PC7: J6.10 U201.64 | length 7.4
  Top Layer w0.2: v1(43.167,28.001) U201.64@44.405,28.001
  Bottom Layer w0.2: v1(43.167,28.001) 44.051,28.001 45.892,29.842 45.892,29.845 46.155,30.108 46.158,30.108 47.225,31.175 J6.10@48.05,31.175
PC8: J6.8 U201.65 | length 8.3
  Top Layer w0.2: v1(42.667,28.501) U201.65@43.905,28.501
  Bottom Layer w0.2: v1(42.667,28.501) 43.303,28.501 45.136,30.334 45.136,30.356 47.225,32.445 J6.8@48.05,32.445
PC9: J6.6 U201.66 | length 8.5
  Top Layer w0.2: v1(43.167,29.001) U201.66@44.405,29.001
  Bottom Layer w0.2: v1(43.167,29.001) 46.55,32.384 46.55,32.617 46.55,32.944 46.95,33.344 46.95,33.44 47.225,33.715 J6.6@48.05,33.715
PC10: J7.26 U201.78 | length 3
  Top Layer w0.2: U201.78@41.5,35.238 41.55,35.288 41.55,36.236 v1(41.907,36.593)
  Bottom Layer w0.2: v1(41.907,36.593) 41.907,37.972 J7.26@41.985,38.05
PC11: J7.24 U201.79 | length 3.1
  Top Layer w0.2: v1(40.77,36.499) 41,36.269 U201.79@41,35.238
  Bottom Layer w0.2: J7.24@40.715,38.05 40.99,37.775 40.77,37.555 v1(40.77,36.499)
PC12: J7.22 U201.80 | length 3.4
  Top Layer w0.2: v1(39.75,36.499) 39.777,36.499 40.001,36.276 40.274,36.276 40.45,36.1 40.45,35.288 U201.80@40.5,35.238
  Bottom Layer w0.2: J7.22@39.445,38.05 39.72,37.775 39.72,36.556 39.75,36.526 v1(39.75,36.499)
PC13: J4.14 U201.7 | length 8.5
  Top Layer w0.2: v1(23,29) 24.5,30.5 U201.7@28.762,30.5
  Bottom Layer w0.2: J4.14@21.05,28.635 22.635,28.635 v1(23,29)
PC14: J4.16 U201.8 | length 8.9
  Top Layer w0.2: v1(23,27.5) 23.05,27.55 23.186,27.55 23.45,27.814 23.45,27.95 25.5,30 U201.8@28.762,30
  Bottom Layer w0.2: J4.16@21.05,27.365 22.838,27.365 22.973,27.5 v1(23,27.5)
PC15: J4.18 U201.9 | length 9.1
  Top Layer w0.2: v1(23,26.5) 26,29.5 U201.9@28.762,29.5
  Bottom Layer w0.2: J4.18@21.05,26.095 22.595,26.095 v1(23,26.5)
PD2: J7.13 U201.83 | length 9.1
  Top Layer w0.2: v1(34.5,40) 35.05,40 36.774,38.275 37.103,38.275 39,36.378 U201.83@39,35.238
  Bottom Layer w0.2: J7.13@34.365,41.95 34.5,41.815 v1(34.5,40)
PD3: J7.11 U201.84 | length 10.1
  Top Layer w0.2: v1(33,40) 35.124,37.875 36.937,37.875 38.45,36.362 38.45,35.288 U201.84@38.5,35.238
  Bottom Layer w0.2: v1(33,40) 33,41.855 J7.11@33.095,41.95
PD4: J7.9 U201.85 | length 10.6
  Top Layer w0.2: v1(32,40) 34.525,37.475 35.229,37.475 36.771,37.476 37.971,36.276 37.971,35.267 U201.85@38,35.238
  Bottom Layer w0.2: J7.9@31.825,41.95 31.825,40.202 32,40.027 v1(32,40)
PD5: J7.7 U201.86 | length 11.5
  Top Layer w0.2: v1(31,40) 31,39.5 33.425,37.075 35.394,37.075 36.606,37.076 37.45,36.231 37.45,35.288 U201.86@37.5,35.238
  Bottom Layer w0.2: J7.7@30.555,41.95 30.5,41.895 30.5,40.5 v1(31,40)
PD6: J7.5 U201.87 | length 12.3
  Top Layer w0.2: v1(29.5,40) 29.95,39.55 30.384,39.55 30.5,39.434 31.217,38.717 32.025,37.909 32.025,37.476 32.826,36.675 35.56,36.675 36.44,36.676 36.95,36.165 36.95,35.288 U201.87@37,35.238
  Bottom Layer w0.2: J7.5@29.285,41.95 29.285,40.242 29.5,40.027 v1(29.5,40)
PD7: J7.3 U201.88 | length 12.9
  Top Layer w0.2: v1(28,40) 31.725,36.275 35.726,36.275 ; 35.726,36.276 36.274,36.276 36.45,36.1 36.45,35.238 U201.88@36.5,35.238
  Bottom Layer w0.2: v1(28,40) 28,41.935 J7.3@28.015,41.95
PD8: J6.24 U201.55 | length 7.1
  Top Layer w0.2: v1(42.667,23.501) U201.55@43.905,23.501
  Bottom Layer w0.2: v1(42.667,23.501) 46.009,23.501 47.225,22.285 J6.24@48.05,22.285
PD9: J6.22 U201.56 | length 6.3
  Top Layer w0.2: v1(43.167,24.001) U201.56@44.405,24.001
  Bottom Layer w0.2: v1(43.167,24.001) 46.075,24.001 46.246,23.83 47.775,23.83 J6.22@48.05,23.555
PD10: J6.20 U201.57 | length 6.8
  Top Layer w0.2: v1(42.667,24.501) U201.57@43.905,24.501
  Bottom Layer w0.2: v1(42.667,24.501) 42.694,24.501 42.743,24.55 47.775,24.55 J6.20@48.05,24.825
PD11: J6.18 U201.58 | length 6.6
  Top Layer w0.2: v1(43.167,25.001) U201.58@44.405,25.001
  Bottom Layer w0.2: v1(43.167,25.001) 46.131,25.001 47.225,26.095 J6.18@48.05,26.095
PD12: U1.6 U201.59 | length 16
  Top Layer w0.2: U201.59@44.288,25.55 U201.59@44.238,25.5 44.288,25.45 45.1,25.45 48.594,21.956 48.594,17.546 52.275,13.865 U1.6@52.8,13.865
PD13: U1.5 U201.60 | length 18.5
  Top Layer w0.2: U201.60@44.238,26 44.255,25.983 45.133,25.983 49,22.115 49,18 v1(50.525,16.475) ; v1(50.5,13.414) 50.5,13.217 51.122,12.595 U1.5@52.8,12.595
  Bottom Layer w0.2: v1(50.5,13.414) 50.513,13.427 50.513,16.462 v1(50.525,16.475)
PD14: J6.16 U201.61 | length 7
  Top Layer w0.2: v1(42.667,26.501) U201.61@43.905,26.501
  Bottom Layer w0.2: v1(42.667,26.501) 46.361,26.501 47.225,27.365 J6.16@48.05,27.365
PD15: J6.14 U201.62 | length 6.8
  Top Layer w0.2: v1(43.167,27.001) U201.62@44.405,27.001
  Bottom Layer w0.2: v1(43.167,27.001) 45.591,27.001 46.14,27.55 46.186,27.55 46.45,27.814 46.45,27.86 47.225,28.635 J6.14@48.05,28.635
PE0: J7.4 U201.97 | length 9.4
  Top Layer w0.2: v1(32,33.35) U201.97@32,35.088
  Bottom Layer w0.2: J7.4@28.015,38.05 28.015,37.225 28.6,36.64 28.6,34.451 29.051,34 30.5,34 31,33.5 31.833,33.5 31.983,33.35 v1(32,33.35)
PE1: J7.6 U201.98 | length 7.6
  Top Layer w0.2: v1(31.5,33.95) U201.98@31.5,35.238
  Bottom Layer w0.2: J7.6@29.285,38.05 29.01,37.775 29.01,35.48 29,35.47 29,34.617 29.117,34.5 30.95,34.5 v1(31.5,33.95)
PE3: J4.6 U201.2 | length 8
  Top Layer w0.2: v1(23.001,32.953) 23.028,32.953 23.075,33 U201.2@28.762,33
  Bottom Layer w0.2: J4.6@21.05,33.715 21.875,33.715 22.618,32.972 22.981,32.972 v1(23.001,32.953)
PE4: J4.8 U201.3 | length 8.1
  Top Layer w0.2: v1(23,32) 23.5,32.5 U201.3@28.762,32.5
  Bottom Layer w0.2: J4.8@21.05,32.445 22.555,32.445 v1(23,32)
PE5: J4.10 U201.4 | length 8.2
  Top Layer w0.2: v1(23,31) 24,32 U201.4@28.762,32
  Bottom Layer w0.2: J4.10@21.05,31.175 22.825,31.175 v1(23,31)
PE6: J4.12 U201.5 | length 8.4
  Top Layer w0.2: v1(23,30) 24.5,31.5 U201.5@28.762,31.5
  Bottom Layer w0.2: J4.12@21.05,29.905 22.878,29.905 22.973,30 v1(23,30)
PE7: J5.7 U201.37 | length 10.5
  Top Layer w0.2: U201.37@36,19.912 v1(36,21.65)
  Bottom Layer w0.2: J5.7@30.555,16.95 30.555,17.775 30.96,18.18 31.056,18.18 31.326,18.45 32.03,18.45 32.43,18.85 32.481,18.85 33.381,19.75 34.034,19.75 34.134,19.85 34.839,19.85 35.039,20.05 35.883,20.05 36,20.167 v1(36,21.65)
PE8: J5.9 U201.38 | length 10.4
  Top Layer w0.2: U201.38@36.5,20.412 v1(36.5,22.15)
  Bottom Layer w0.2: J5.9@31.825,16.95 31.825,17.775 32.1,18.05 32.196,18.05 32.596,18.45 32.647,18.45 33.547,19.35 34.2,19.35 34.3,19.45 35.004,19.45 35.204,19.65 36.322,19.65 36.45,19.778 36.45,22.073 36.5,22.123 v1(36.5,22.15)
PE9: J5.11 U201.39 | length 9.2
  Top Layer w0.2: U201.39@37,19.912 v1(37,21.65)
  Bottom Layer w0.2: J5.11@33.095,16.95 33.095,17.775 33.37,18.05 33.573,18.05 33.69,18.167 33.69,18.274 34.466,19.05 35.17,19.05 35.37,19.25 36.488,19.25 36.85,19.612 36.85,21.473 37,21.623 v1(37,21.65)
PE10: J5.13 U201.40 | length 9.1
  Top Layer w0.2: U201.40@37.5,20.412 v1(37.5,22.15)
  Bottom Layer w0.2: J5.13@34.365,16.95 34.365,17.775 34.64,18.05 34.843,18.05 34.96,18.167 34.96,18.274 35.536,18.85 36.849,18.85 37.5,19.501 v1(37.5,22.15)
PE11: J5.15 U201.41 | length 7.9
  Top Layer w0.2: U201.41@38,19.912 v1(38,21.65)
  Bottom Layer w0.2: J5.15@35.635,16.95 35.635,17.775 35.91,18.05 36.113,18.05 36.23,18.167 36.23,18.274 36.406,18.45 37.014,18.45 38,19.436 v1(38,21.65)
PE12: J5.17 U201.42 | length 7.6
  Top Layer w0.2: U201.42@38.5,20.412 v1(38.5,22.15)
  Bottom Layer w0.2: J5.17@36.905,16.95 36.905,17.775 38.5,19.37 v1(38.5,22.15)
PE13: J5.19 U201.43 | length 6.8
  Top Layer w0.2: U201.43@39,19.912 v1(39,21.65)
  Bottom Layer w0.2: J5.19@38.175,16.95 38.175,17.775 39,18.6 v1(39,21.65)
PE14: J5.21 U201.44 | length 7
  Top Layer w0.2: U201.44@39.5,20.412 v1(39.5,22.15)
  Bottom Layer w0.2: J5.21@39.445,16.95 39.5,17.005 v1(39.5,22.15)
PE15: J5.23 U201.45 | length 6.7
  Top Layer w0.2: U201.45@40,19.912 v1(40,21.65)
  Bottom Layer w0.2: v1(40,21.65) 40,18.49 40.715,17.775 J5.23@40.715,16.95
SYS_JTMS-SWCLK: J3.2 U201.76 | length 53.3
  Top Layer w0.2: v1(17.882,32.618) 17.507,32.993 17.507,33.02 17.5,33.027 17.5,35.636 19.764,37.9 22.678,37.9 25.228,40.45 35.165,40.45 36.065,39.55 40.586,39.55 43.45,36.686 43.45,36.246 43.08,35.876 42.55,35.876 42.5,35.826 U201.76@42.5,35.238
  Bottom Layer w0.2: J3.2@2.5,26.66 9.172,26.66 12.05,29.537 12.05,30.024 12.226,30.2 12.712,30.2 15.512,33 17.473,33 17.855,32.618 v1(17.882,32.618)
SYS_JTMS-SWDIO: J3.4 U201.72 | length 66.2
  Top Layer w0.2: J3.4@2.5,21.58 2.655,21.425 12.061,21.425 18.95,28.314 18.95,30.914 17.05,32.814 17.05,35.928 20.622,39.5 21.978,39.5 23.396,40.918 23.396,41.032 24.814,42.45 38.252,42.45 43.85,36.852 43.85,34.782 43,33.932 43,32.168 v1(43.167,32.001) ; v1(43.167,32.001) U201.72@44.405,32.001
USB_5V: F102.2 J101.3 R103.2 TP107.1 | length 32.3
  Top Layer w0.3: v1(18.497,50.294) 19.703,51.5 TP107.1@24,51.5 ; v1(18.5,56) 18.54,56.04 J101.3@18.54,58.5
  Bottom Layer w0.3: v1(18.5,56) 18.5,54.956 15.412,51.869 15.412,50.988 F102.2@15,50.575 15.281,50.294 v1(18.497,50.294) 21.628,53.425 R103.2@30.5,53.425
USB_OTG_H: D201.1 J2.3 R203.1 U201.71 | length 85.4
  Top Layer w0.2: v1(42.667,31.637) 42.694,31.637 42.83,31.501 U201.71@43.905,31.501
  Top Layer w0.381: J2.3@5.65,46.3 5.641,46.29 4.863,46.29 4.585,46.012 4.585,44.018 5.118,43.484 5.484,43.484 5.92,43.048 5.92,42.683 7.8,40.803 7.8,31.85 8,31.649 8,25.375 10,23.375 D201.1@10,22.975 10.025,23 v1(11,23)
  PWR w0.381: v1(11,23) 10.638,23.362 10.638,27.217 10.277,27.579 9.698,27.579 9.103,28.174 9.103,33.579 11.225,35.701 13.236,35.701 13.46,35.924 13.46,37.224 16.776,40.54 29.724,40.54 30.459,39.805 30.459,39.655 36.54,33.574 36.54,33.206 38.11,31.637 v1(42.667,31.637)
  Bottom Layer w0.381: R203.1@7.5,22.9 10.9,22.9 v1(11,23)
USB_OTG_L: D202.1 J2.2 U201.70 | length 74.4
  Top Layer w0.2: v1(43.167,31.002) U201.70@44.404,31.001
  Top Layer w0.381: J2.2@5.65,46.95 5.66,46.941 6.437,46.941 6.965,46.412 6.965,43.672 6.555,43.261 6.555,42.946 8.435,41.066 8.435,32.113 8.658,31.89 9.358,31.89 10,31.248 D202.1@10,30.975 10.5,31.475 v1(10.5,33)
  PWR w0.381: v1(10.5,33) 10.5,28.437 10.277,28.214 9.961,28.214 9.738,28.437 9.738,33.316 11.488,35.066 14.17,35.066 14.776,34.46 18.724,34.46 23.955,39.691 27.166,39.691 29.291,37.566 29.291,35.276 31.757,32.81 36.039,32.81 37.847,31.002 v1(43.167,31.002)
USB_OTG_VBUS: C231.1 C232.1 R201.2 R202.1 U201.68 | length 49.5
  Top Layer w0.2: v1(42.814,29.94) 42.841,29.94 42.902,30.001 U201.68@44.405,30.001
  PWR w0.3: v1(13,34) 13.5,33.5 14.581,33.5 15,33.919 18.948,33.919 20.029,35 20.35,35 24.5,39.15 24.911,39.15 25.545,38.516 27.576,38.516 28.75,37.342 28.75,34.301 28.826,34.226 28.826,34.146 32.471,30.5 33.207,30.5 33.246,30.461 41.959,30.461 42.459,29.961 42.793,29.961 v1(42.814,29.94)
  Bottom Layer w0.3: R202.1@5.5,37.35 7.45,37.35 C232.1@7.5,37.4 7.7,37.4 8.95,36.15 9.575,36.15 10,35.725 12.875,35.725 C231.1@13,35.6 v1(13,34)
USB_VBUS: C106.1 C107.1 C108.1 D106.1 J2.1 L102.1 R201.1 TP106.1 | length 43.2
  Top Layer w0.3: J2.1@5.65,47.6 6.125,47.6 8.5,49.975 D106.1@8.5,50.475 ; v1(6.5,50.5) 6.525,50.475 D106.1@8.5,50.475 ; v1(10.5,45) 12.175,46.675 L102.1@16.65,46.675 L102.1@17.1,46.675 ; TP106.1@11,55.5 9,53.5 9,50.975 D106.1@8.5,50.475
  Bottom Layer w0.3: v1(6.5,50.5) 7.4,50.5 8.8,49.1 C106.1@9,49.1 C107.1@12,49.1 12,48.2 12.478,47.722 12.522,47.722 13,47.245 13,45.15 12.2,44.35 C108.1@12,44.35 ; R201.1@10,37.575 9.9,37.575 9.475,38 9.475,39.28 8.475,40.28 8.475,42.57 10.255,44.35 C108.1@12,44.35 ; v1(10.5,45) 10.85,44.65 11.7,44.65 C108.1@12,44.35
VBAT: C1.1 R1.2 R2.1 U201.6 | length 8.7
  Top Layer w0.2: v1(27.5,31) U201.6@28.762,31
  Bottom Layer w0.2: v1(27.5,31) C1.1@29.55,31 29.2,30.65 29.2,29.962 29.1,29.862 R2.1@29.1,28.5 29.575,28.025 R1.2@29.575,26
VDDA: C225.2 C226.2 C227.2 C228.2 J4.17 U201.21 | length 22.1
  Top Layer w0.2: C228.2@23,14.1 22.8,14.1 21.7,15.2 21.35,15.2 C227.2@21,15.55 20.8,15.55 20.45,15.9 20.45,16.476 20.05,16.876 20.05,18.67 21.147,19.767 21.547,19.767 22.697,20.917 22.697,23.132 23.116,23.55 25.2,23.55 26.4,24.75 26.4,24.912 26.494,25.006 26.494,25.129 v1(26.514,25.148) ; v1@26.514,25.175 26.682,25.007 26.726,25.007 26.925,24.808 26.925,24.394 27.769,23.55 28.712,23.55 U201.21@28.762,23.5
  Bottom Layer w0.2: J4.17@24.95,26.095 25.775,26.095 26.494,25.376 26.494,25.167 v1(26.514,25.148)
VREFA: C227.1 C228.1 J4.15 U201.20 | length 25
  Top Layer w0.2: v1(19.505,17.995) 19.505,19.45 20.573,20.518 21.722,20.518 22.297,21.093 22.297,23.297 23.3,24.3 25.374,24.3 25.95,24.876 25.95,26.071 26.077,26.198 26.077,26.816 v1@26.073,26.82 ; v1(21.464,18.5) 21.464,17.8 21.114,17.45 C227.1@21,17.45 21.2,17.45 22.3,16.35 22.65,16.35 C228.1@23,16 ; v1(26.068,26.82) v1@26.087,26.839 ; 26.1,26.198 27.324,24.973 27.324,24.56 27.835,24.05 28.712,24.05 U201.20@28.762,24
  Bottom Layer w0.2: v1(19.505,17.995) 21.192,17.995 21.445,18.248 21.445,18.481 v1(21.464,18.5) ; J4.15@24.95,27.365 25.775,27.365 26.05,27.09 26.05,26.838 v1(26.068,26.82)
VSSA: C225.1 C226.1 J4.13 U201.19 | length 16.8
  Top Layer w0.2: C226.1@21.347,21.667 21.547,21.667 21.897,22.017 21.897,23.463 23.884,25.45 C225.1@25,25.45 25,27 v1(26.5,28.5) 26.5,27.736 26.518,27.718 26.518,26.81 26.55,26.778 26.55,26.314 27.724,25.139 27.724,24.726 27.9,24.55 27.95,24.55 28,24.5 U201.19@28.762,24.5
  Bottom Layer w0.2: J4.13@24.95,28.635 25.085,28.5 v1(26.5,28.5)
pads on no net: J1.7 J2.MH1 J2.MH2 J4.11 J5.4 J5.8 J5.20 J5.22 J5.24 J5.26 J6.3 J6.5 J6.7 J6.15 J6.17 J6.19 J6.21 J6.25 J7.15 J7.23 SW201.MH1 SW201.MH2 U1.1 U1.2 U1.3 U301.5 U302.5
copper on no net:
  other v1: 33,31

## Polygon pours and split planes (outlines as drawn)
+3.3 on PWR "+3.3_L03_P000" (solid, pour order 0): 5,0 cw(c5,5) 0,5 0,55 cw(c5,55) 5,60 55,60 cw(c55,55) 60,55 60,5 cw(c55,5) 55,0
GND on GND "GND_L02_P001" (solid, pour order 1): 5,0 cw(c5,5) 0,5 0,55 cw(c5,55) 5,60 55,60 cw(c55,55) 60,55 60,5 cw(c55,5) 55,0

## Silkscreen, mask and mechanical layers (free items; w line width, h text height)
Top Overlay:
  drawing of 43 lines, arcs and shapes, not listed
  text "DCDC COM USB" at 12.501,56 h1
  text "Supply select" at 12.501,55.127 h1
  text "5V          3.3V      USB5V" at 26.001,44 h1
  text "Supply LEDs" at 25.911,43.477 h1
  text "BOOT0 SW" at 4.001,40 h1
  text "User LEDs" at 10.001,34.5 h1
  text "3.3V" at 4.501,29 h1
  text "SWCLK" at 4.501,26.5 h1
  text "GND" at 4.501,24 h1
  text "SWDIO" at 4.501,21.5 h1
  text "STLink" at 0.5,20.499 h1 r270
  text "NRST" at 4.501,19 h1
  text "SWO" at 4.501,17 h1
  text "RST SW" at 8.501,15.5 h1
  text "SWO J" at 0.5,11.999 h1 r270
  text "ETR SHIELD" at 44.002,2 h2
  text "CAN LEDs" at 36.001,0.5 h1
  text "Bernat Costa Cesari 2023" at 39.502,0.5 h2
Mechanical 1:
  lines w0.1: 0,5 ccw(c5,5) 5,0 ; 0,5 ccw(c5,5) 5,0 ; 0,5 ccw(c5,5) 5,0 ; 0,5 0,55 ; 0,5 0,55 ; 0,5 0,55 ; 0,55 cw(c5,55) 5,60 ; 0,55 cw(c5,55) 5,60 ; 0,55 cw(c5,55) 5,60 ; 5,0 55,0 ; 5,0 55,0 ; 5,0 55,0 ; 5,60 55,60 ; 5,60 55,60 ; 5,60 55,60 ; 55,0 ccw(c55,5) 60,5 ; 55,0 ccw(c55,5) 60,5 ; 55,0 ccw(c55,5) 60,5 ; 55,60 cw(c55,55) 60,55 ; 55,60 cw(c55,55) 60,55 ; 55,60 cw(c55,55) 60,55 ; 60,5 60,55 ; 60,5 60,55 ; 60,5 60,55

## Text inside footprints (layer, text, board x,y; h text height)
J2: Top Designator "PCB Edge" at 0.875,47.5 h1 r270
J4: Bottom Overlay "28" at 21.6,18.78 h1 r90; Bottom Overlay "27" at 25.4,18.78 h1 r90; Bottom Overlay "2" at 21.6,37.92 h1 r90; Bottom Overlay "1" at 25.4,37.52 h1 r90
J5: Bottom Overlay "28" at 44.22,13.6 h1 r180; Bottom Overlay "27" at 44.22,17.4 h1 r180; Bottom Overlay "2" at 25.08,13.6 h1 r180; Bottom Overlay "1" at 25.48,17.4 h1 r180
J6: Bottom Overlay "28" at 48.6,18.78 h1 r90; Bottom Overlay "27" at 52.4,18.78 h1 r90; Bottom Overlay "2" at 48.6,37.92 h1 r90; Bottom Overlay "1" at 52.4,37.52 h1 r90
J7: Bottom Overlay "28" at 44.22,38.6 h1 r180; Bottom Overlay "27" at 44.22,42.4 h1 r180; Bottom Overlay "2" at 25.08,38.6 h1 r180; Bottom Overlay "1" at 25.48,42.4 h1 r180